# KiCad board 5x25.kicad_pcb (continued)
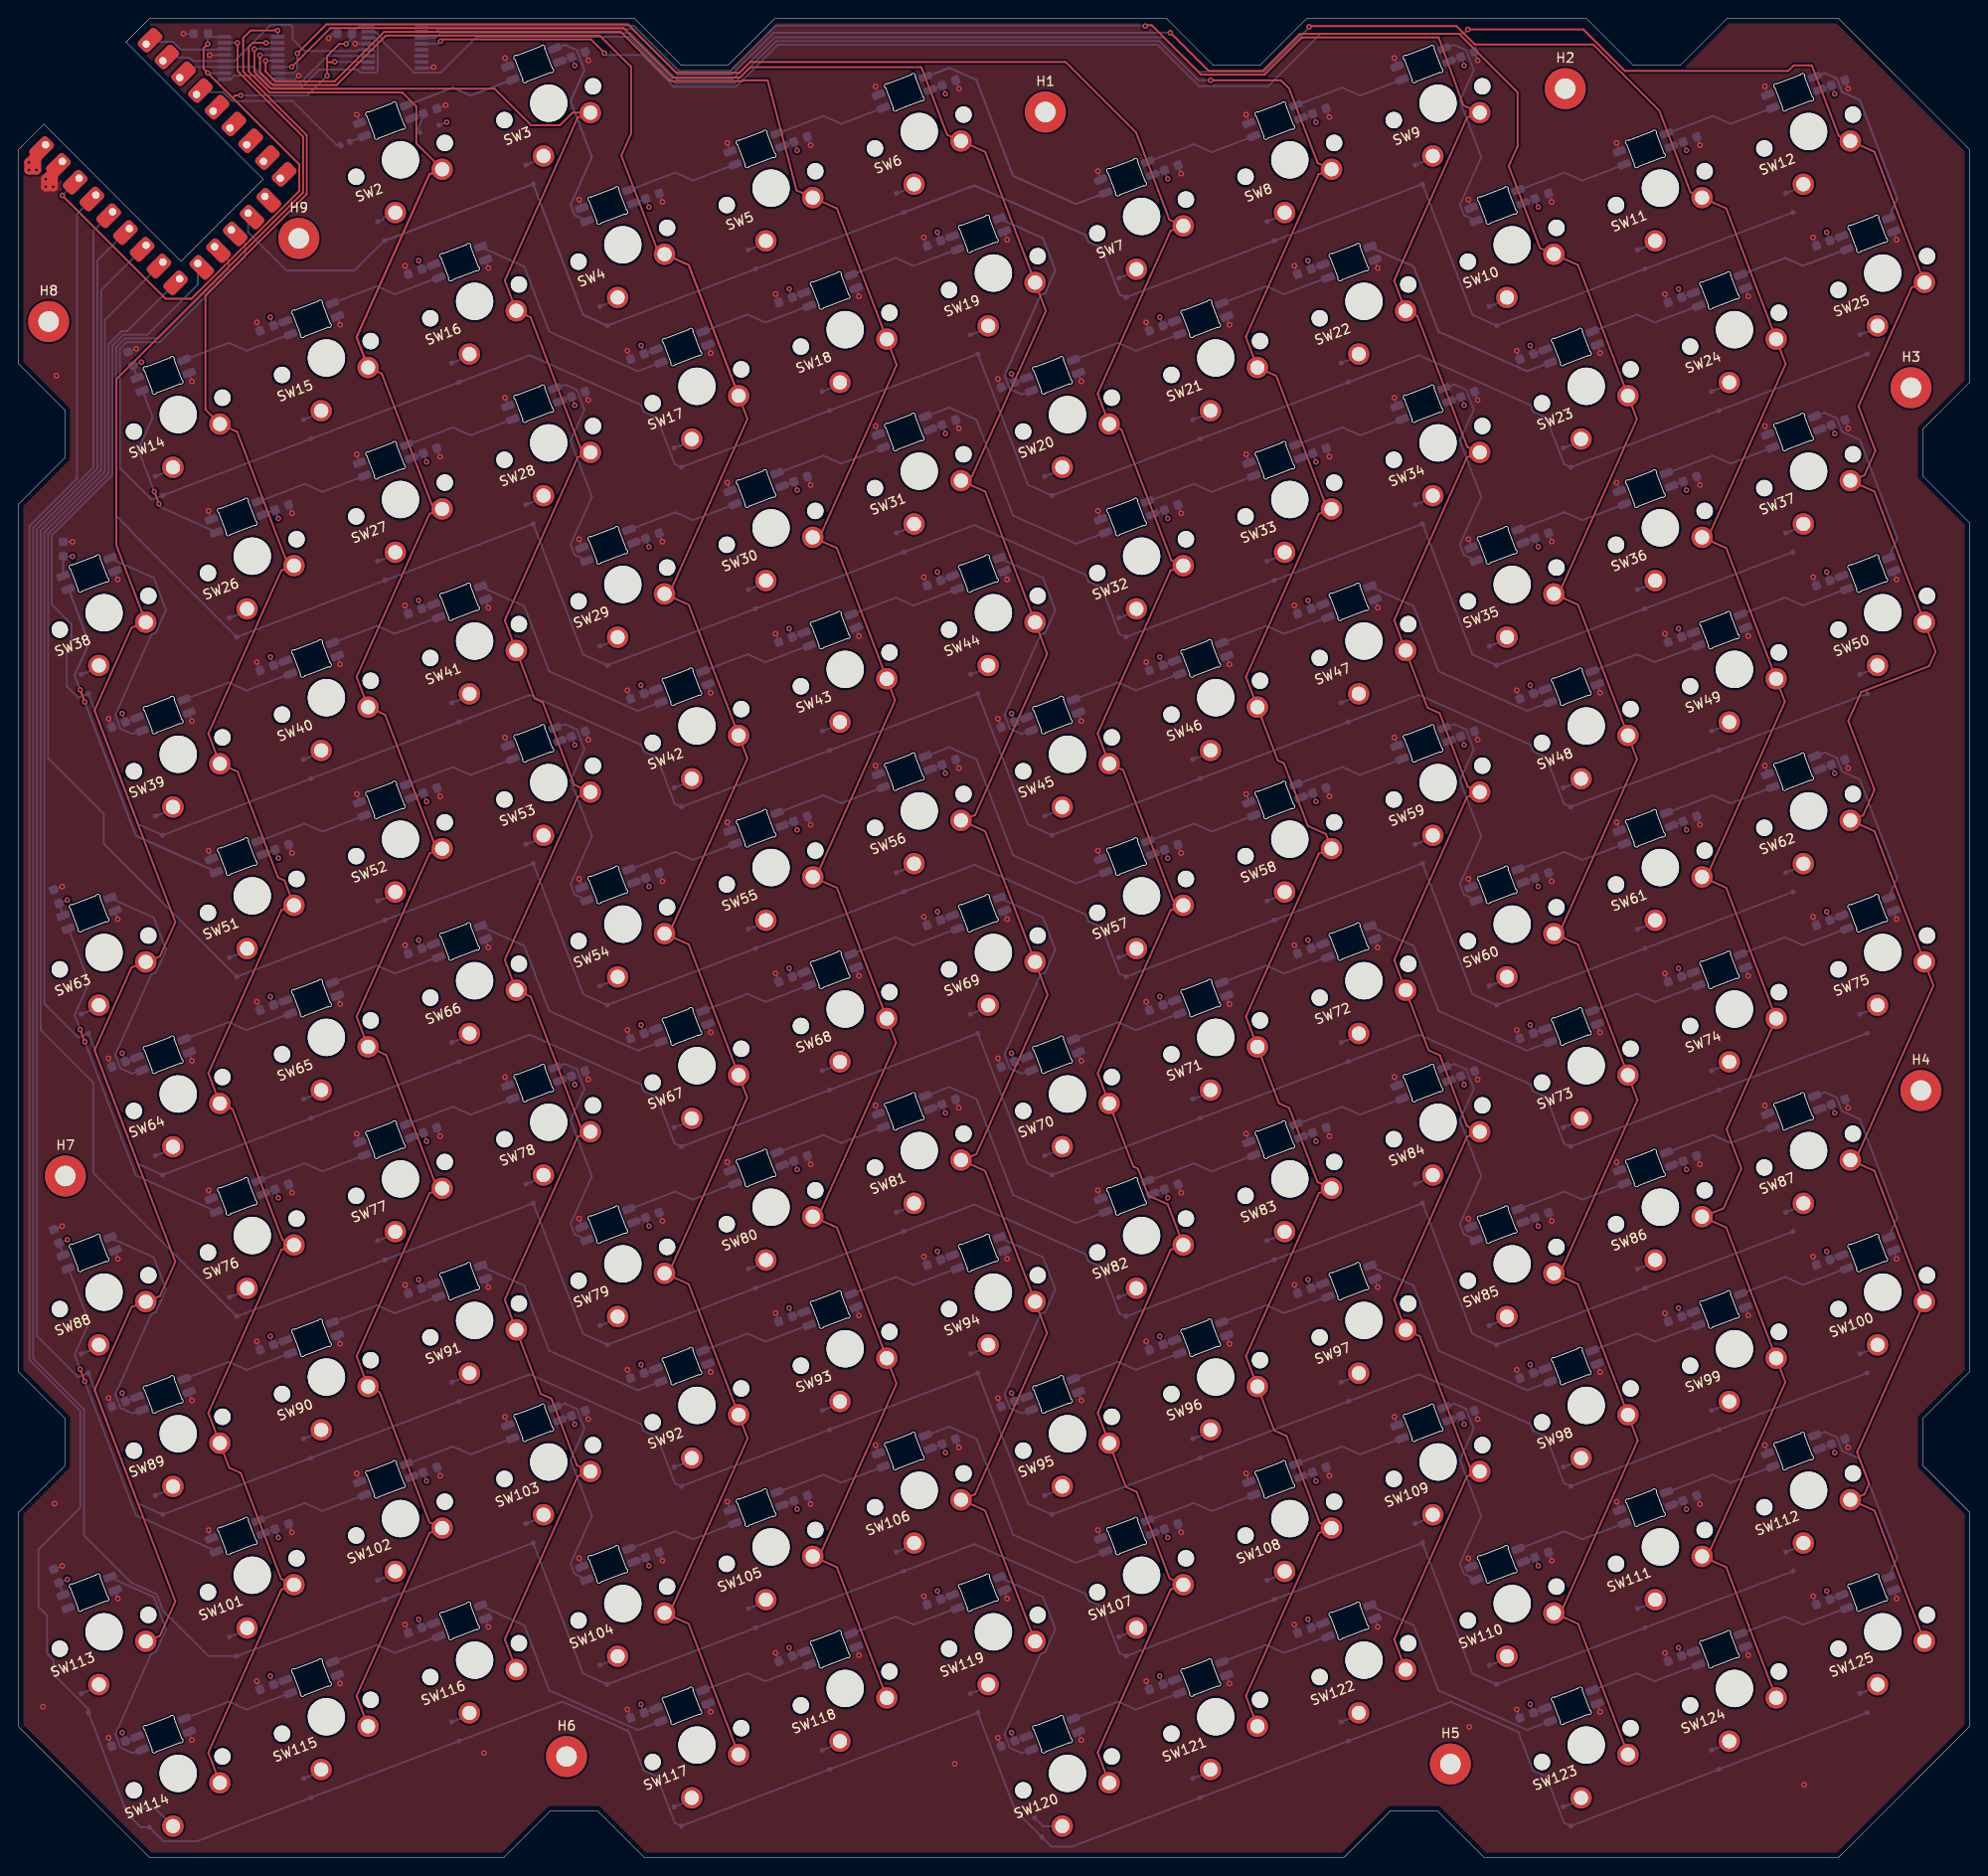
[diagram p0: board, top side]
## Routing (per net, layer and track width the routed paths; a pad name or vN(x,y) marks a point on that pad's centre or on a via; arc(x,y) is an arc through that point) (continued)
GND: length 247.6
  Top w1: v1(2.9,179.8) v1(2.9,179) v1(3.7,179) 3.7,180.72 RZ1.22 4.68,181.58 v1(2.9,179.8)
  Bottom w0.2: 81.11,58.28 C93.1 ; 164.25,68.2 C85.1 ; 180.13,110.66 C61.1 ; 96.99,64.35 C94.1 ; v1(131.51,150.33) 131.84,149.46 ; 68.97,31.81 C104.1 ; 41.41,170.5 C16.1 ; v1(36.22,113.93) 36.56,113.06 ; 41.41,97.71 C66.1 ; 29.26,144.03 C26.1 ; v1(171.21,74.5) 171.54,73.63 ; v1(20.45,193.09) 22.02,193.09 U1.13 ; 140.43,186.49 C8.1 ; 104.93,158.37 C20.1 ; v1(20.34,35.07) 20.67,34.2 ; 196.01,43.94 C112.1 ; v1(105.91,27.72) 105.58,28.59 ; v1(34.45,127.81) 34.12,128.68 ; v1(18.57,121.74) 18.23,122.61 ; v1(10.63,27.72) 10.29,28.59 ; 160.52,125.01 C48.1 ; v1(169.44,124.78) 169.1,125.65 ; 65.23,88.61 C67.1 ; 100.73,189.52 C6.1 ; v1(131.51,113.93) 131.84,113.06 ; 61.02,119.76 C53.1 ; 124.55,180.42 C7.1 ; v1(50.33,170.27) 50,171.14 ; 120.81,91.65 C71.1 ; 65.23,161.41 C17.1 ; 65.23,125.01 C42.1 ; 140.43,40.91 C108.1 ; 192.28,27.95 C125.1 ; v1(74.15,51.99) 73.82,52.85 ; 45.14,40.91 C102.1 ; U2.13 36.18,194.31 36.15,194.34 v1(36.05,194.34) ; 25.53,55.25 C90.1 ; 68.97,177.39 C4.1 ; 136.69,61.32 C97.1 ; 4.64,67.61 C88.1 ; 104.93,49.18 C95.1 ; 9.65,121.98 C39.1 ; 164.25,140.99 C35.1 ; v1(185.32,58.05) 184.98,58.92 ; v1(34.45,18.62) 34.12,19.49 ; v1(169.44,161.17) 169.1,162.04 ; 29.26,34.84 C101.1 ; v1(33.2,194.9) 33.7,195.4 C901.1 ; 140.43,77.3 C83.1 ; 61.02,83.37 C78.1 ; 68.97,68.2 C79.1 ; v1(147.39,156.39) 147.72,155.52 ; 81.11,94.68 C68.1 ; 176.4,21.89 C124.1 ; 9.65,12.79 C114.1 ; 29.26,107.63 C51.1 ; v1(169.44,15.59) 169.1,16.46 ; v1(129.73,55.02) 129.4,55.89 ; 176.4,94.68 C74.1 ; 176.4,58.28 C99.1 ; 100.73,153.13 C31.1 ; v1(147.39,120) 147.72,119.13 ; 120.81,55.25 C96.1 ; 25.53,91.65 C65.1 ; v1(60.04,32.04) 60.38,31.17 ; v1(155.33,177.62) 155.66,176.75 ; v1(91.81,153.36) 92.14,152.49 ; v1(60.04,141.23) 60.38,140.36 ; 41.41,134.11 C41.1 ; 196.01,116.73 C62.1 ; v1(91.81,189.75) 92.14,188.89 ; 136.69,134.11 C47.1 ; 196.01,189.52 C12.1 ; 140.43,150.09 C33.1 ; 160.52,161.41 C23.1 ; 96.99,27.95 C119.1 ; v1(75.93,74.5) 76.26,73.63 ; 192.28,137.14 C50.1 ; 61.02,46.97 C103.1 ; 124.55,107.63 C57.1 ; v1(75.93,183.69) 76.26,182.82 ; 164.25,177.39 C10.1 ; v1(185.32,130.84) 184.98,131.71 ; v1(169.44,88.38) 169.1,89.25 ; v1(145.61,97.48) 145.28,98.35 ; v1(185.32,94.45) 184.98,95.32 ; v1(20.34,71.47) 20.67,70.6 ; 12.58,161.63 C14.1 ; 164.25,104.6 C60.1 ; v1(115.63,107.86) 115.96,107 ; v1(147.39,192.79) 147.72,191.92 ; 180.13,183.46 C11.1 ; 120.81,128.04 C46.1 ; 124.55,71.24 C82.1 ; v1(105.91,173.31) 105.58,174.17 ; v1(113.85,158.14) 113.52,159.01 ; v1(155.33,32.04) 155.66,31.17 ; 84.85,183.46 C5.1 ; v1(52.1,192.79) 52.44,191.92 ; v1(90.03,21.66) 89.7,22.52 ; v1(75.93,110.9) 76.26,110.03 ; v1(34.45,91.41) 34.12,92.28 ; v1(105.91,64.12) 105.58,64.99 ; v1(20.34,107.86) 20.67,107 ; 192.28,64.35 C100.1 ; v1(50.33,24.69) 50,25.56 ; v1(187.09,189.75) 187.42,188.89 ; v1(36.22,150.33) 36.56,149.46 ; 156.31,46.97 C109.1 ; 176.4,131.08 C49.1 ; v1(115.63,180.66) 115.96,179.79 ; 100.73,116.73 C56.1 ; v1(113.85,121.74) 113.52,122.61 ; v1(90.03,58.05) 89.7,58.92 ; 192.28,100.75 C75.1 ; v1(201.2,64.12) 200.87,64.99 ; v1(52.1,120) 52.44,119.13 ; 45.14,150.09 C27.1 ; v1(74.15,15.59) 73.82,16.46 ; v1(145.61,133.88) 145.28,134.74 ; v1(171.21,38.11) 171.54,37.24 ; v1(187.09,116.96) 187.42,116.09 ; v1(34.45,164.21) 34.12,165.07 ; 29.26,71.24 C76.1 ; 140.43,113.7 C58.1 ; 25.53,164.44 C15.1 ; U2.8 44.18,191.71 44.28,191.81 v1(44.45,191.81) ; v1(171.21,147.29) 171.54,146.42 ; 136.69,24.92 C122.1 ; v1(50.33,133.88) 50,134.74 ; v1(50.33,97.48) 50,98.35 ; 156.31,83.37 C84.1 ; 124.55,144.03 C32.1 ; 81.11,21.89 C118.1 ; v1(90.03,94.45) 89.7,95.32 ; 192.28,173.54 C25.1 ; 180.13,74.27 C86.1 ; v1(131.51,41.14) 131.84,40.27 ; 100.73,80.34 C81.1 ; 156.31,192.56 C9.1 ; v1(145.61,24.69) 145.28,25.56 ; 160.52,15.82 C123.1 ; 45.14,113.7 C52.1 ; v1(74.15,88.38) 73.82,89.25 ; 196.01,80.34 C87.1 ; 156.31,119.76 C59.1 ; v1(201.2,173.31) 200.87,174.17 ; 100.73,43.94 C106.1 ; v1(20.34,144.26) 20.67,143.39 ; 9.65,85.58 C64.1 ; v1(74.15,161.17) 73.82,162.04 ; v1(155.33,104.83) 155.66,103.96 ; v1(18.57,85.35) 18.23,86.22 ; v1(115.63,35.07) 115.96,34.2 ; 164.25,31.81 C110.1 ; 84.85,110.66 C55.1 ; v1(201.2,100.51) 200.87,101.38 ; v1(90.03,130.84) 89.7,131.71 ; 136.69,97.71 C72.1 ; v1(201.2,27.72) 200.87,28.59 ; v1(36.22,77.53) 36.56,76.67 ; 104.93,85.58 C70.1 ; 65.23,15.82 C117.1 ; 124.55,34.84 C107.1 ; 176.4,167.47 C24.1 ; v1(113.85,85.35) 113.52,86.22 ; v1(91.81,80.57) 92.14,79.7 ; v1(147.39,83.6) 147.72,82.73 ; 96.99,100.75 C69.1 ; 45.14,77.3 C77.1 ; 196.01,153.13 C37.1 ; 156.31,156.16 C34.1 ; v1(90.03,167.24) 89.7,168.11 ; v1(155.33,141.23) 155.66,140.36 ; v1(185.32,21.66) 184.98,22.52 ; 61.02,156.16 C28.1 ; v1(75.93,38.11) 76.26,37.24 ; 120.81,18.86 C121.1 ; v1(187.09,80.57) 187.42,79.7 ; v1(105.91,100.51) 105.58,101.38 ; v1(155.33,68.44) 155.66,67.57 ; v1(36.22,41.14) 36.56,40.27 ; 84.85,37.87 C105.1 ; v1(105.91,136.91) 105.58,137.78 ; v1(185.32,167.24) 184.98,168.11 ; 84.85,74.27 C80.1 ; 4.64,31.21 C113.1 ; v1(129.73,18.62) 129.4,19.49 ; v1(187.09,153.36) 187.42,152.49 ; v1(113.85,12.56) 113.52,13.43 ; v1(129.73,164.21) 129.4,165.07 ; v1(129.73,91.41) 129.4,92.28 ; v1(18.57,158.14) 18.23,159.01 ; 104.93,12.79 C120.1 ; 5.73,140.94 4.78,140.94 ; v1(74.15,124.78) 73.82,125.65 ; 84.85,147.06 C30.1 ; 81.11,167.47 C18.1 ; 68.97,140.99 C29.1 ; 41.41,61.32 C91.1 ; 68.97,104.6 C54.1 ; 41.41,24.92 C116.1 ; v1(171.21,183.69) 171.54,182.82 ; v1(169.44,51.99) 169.1,52.85 ; v1(18.57,48.95) 18.23,49.82 ; v1(45.76,187.74) C2.2 ; 4.64,104.01 C63.1 ; 180.13,37.87 C111.1 ; 160.52,52.22 C98.1 ; 96.99,137.14 C44.1 ; v1(113.85,48.95) 113.52,49.82 ; v1(10.63,136.91) 10.29,137.78 ; v1(50.33,61.08) 50,61.95 ; 180.13,147.06 C36.1 ; v1(145.61,61.08) 145.28,61.95 ; v1(18.57,12.56) 18.23,13.43 ; v1(201.2,136.91) 200.87,137.78 ; v1(34.45,55.02) 34.12,55.89 ; 65.23,52.22 C92.1 ; v1(115.63,71.47) 115.96,70.6 ; v1(10.63,64.12) 10.29,64.99 ; 160.52,88.61 C73.1 ; v1(75.93,147.29) 76.26,146.42 ; v1(60.04,68.44) 60.38,67.57 ; 104.93,121.98 C45.1 ; v1(187.09,44.17) 187.42,43.3 ; v1(115.63,144.26) 115.96,143.39 ; v1(52.1,156.39) 52.44,155.52 ; v1(60.04,177.62) 60.38,176.75 ; 120.81,164.44 C21.1 ; U1.8 29.63,190.51 v1(30.01,190.89) ; 25.53,128.04 C40.1 ; v1(131.51,186.72) 131.84,185.85 ; 9.65,49.18 C89.1 ; v1(131.51,77.53) 131.84,76.67 ; v1(52.1,83.6) 52.44,82.73 ; v1(171.21,110.9) 171.54,110.03 ; v1(36.22,186.72) 36.56,185.85 ; 81.11,131.08 C43.1 ; v1(60.04,104.83) 60.38,103.96 ; v1(129.73,127.81) 129.4,128.68 ; 136.69,170.5 C22.1 ; 25.53,18.86 C115.1 ; v1(91.81,44.17) 92.14,43.3 ; v1(145.61,170.27) 145.28,171.14 ; v1(17.65,195.39) C900.1 ; v1(147.39,47.2) 147.72,46.34 ; v1(52.1,47.2) 52.44,46.34 ; v1(10.63,100.51) 10.29,101.38 ; 96.99,173.54 C19.1 ; 61.02,192.56 C3.1 ; v1(91.81,116.96) 92.14,116.09
  vias: v1(2.62,16.14) v1(3.84,37.89) v1(4.04,158.75) v1(4.66,104.02) v1(4.66,67.62) v1(4.66,31.22) v1(5.76,140.94) v1(9.64,122) v1(9.64,85.61) v1(9.64,49.21) v1(9.64,12.81) v1(12.6,161.64) v1(25.52,164.46) v1(25.52,128.07) v1(25.52,91.67) v1(25.52,55.28) v1(25.52,18.88) v1(29.27,144) v1(29.27,107.61) v1(29.27,71.21) v1(29.27,34.81) v1(41.4,170.53) v1(41.4,134.13) v1(41.4,97.74) v1(41.4,61.34) v1(41.4,24.95) v1(45.15,150.07) v1(45.15,113.67) v1(45.15,77.28) v1(45.15,40.88) v1(49.86,11.18) v1(61.03,192.53) v1(61.03,156.13) v1(61.03,119.74) v1(61.03,83.34) v1(61.03,46.95) v1(65.22,161.43) v1(65.22,125.03) v1(65.22,88.64) v1(65.22,52.24) v1(65.22,15.85) v1(68.97,177.37) v1(68.97,140.97) v1(68.97,104.57) v1(68.97,68.18) v1(68.97,31.78) v1(81.1,167.5) v1(81.1,131.1) v1(81.1,94.71) v1(81.1,58.31) v1(81.1,21.91) v1(84.86,183.43) v1(84.86,147.04) v1(84.86,110.64) v1(84.86,74.24) v1(84.86,37.85) v1(96.98,173.56) v1(96.98,137.17) v1(96.98,100.77) v1(96.98,64.38) v1(96.98,27.98) v1(100.29,10.02) v1(100.74,189.5) v1(100.74,153.1) v1(100.74,116.71) v1(100.74,80.31) v1(100.74,43.91) v1(104.92,158.4) v1(104.92,122) v1(104.92,85.61) v1(104.92,49.21) v1(104.92,12.81) v1(120.8,164.46) v1(120.8,128.07) v1(120.8,91.67) v1(120.8,55.28) v1(120.8,18.88) v1(124.56,180.4) v1(124.56,144) v1(124.56,107.61) v1(124.56,71.21) v1(124.56,34.81) v1(136.68,170.53) v1(136.68,134.13) v1(136.68,97.74) v1(136.68,61.34) v1(136.68,24.95) v1(140.44,186.46) v1(140.44,150.07) v1(140.44,113.67) v1(140.44,77.28) v1(140.44,40.88) v1(155.42,13.97) v1(156.32,192.53) v1(156.32,156.13) v1(156.32,119.74) v1(156.32,83.34) v1(156.32,46.95) v1(160.51,161.43) v1(160.51,125.03) v1(160.51,88.64) v1(160.51,52.24) v1(160.51,15.85) v1(164.26,177.37) v1(164.26,140.97) v1(164.26,104.57) v1(164.26,68.18) v1(164.26,31.78) v1(176.39,167.5) v1(176.39,131.1) v1(176.39,94.71) v1(176.39,58.31) v1(176.39,21.91) v1(180.14,183.43) v1(180.14,147.04) v1(180.14,110.64) v1(180.14,74.24) v1(180.14,37.85) v1(191.31,7.78) v1(192.27,173.56) v1(192.27,137.17) v1(192.27,100.77) v1(192.27,64.38) v1(192.27,27.98) v1(196.02,189.5) v1(196.02,153.1) v1(196.02,116.71) v1(196.02,80.31) v1(196.02,43.91)
CLOCK: length 22.7
  Bottom w0.2: RZ1.3 18.38,191.81 U1.11 25.16,191.81 26.96,190.01 30.08,190.01 33.08,193.01 U2.11
Col 0: length 199.1
  Top w0.2: v1(23.43,194.41) 23.45,194.39 23.45,191.39 23.65,191.19 23.65,191.17 30.47,184.35 30.47,178.37 10.47,158.37 10.47,140.7 10.44,140.64 SW38.1 12.1,131.75 8.13,122.88 16.79,100.21 15.13,96.52 SW63.1 12.1,95.36 8.13,86.48 16.79,63.81 15.13,60.12 SW88.1 12.1,58.96 8.13,50.09 16.79,27.42 15.13,23.73 SW113.1
  Bottom w0.2: v1(23.43,194.41) U1.15
Col 1: length 220.7
  Top w0.2: SW114.1 20.32,11.22 28.13,28.69 SW101.1 28.12,29.83 23.78,41.19 22.57,41.73 SW89.1 20.32,47.61 28.13,65.09 28.61,65.27 ; v1(27.75,195.74) 24.85,195.74 24.05,194.94 24.05,194.66 24.05,194.66 24.05,194.16 24.05,191.34 30.87,184.52 30.87,178.21 20.01,167.35 20.01,155.11 SW14.1 23.41,152.74 28.76,138.73 SW26.1 28.13,137.88 20.32,120.41 SW39.1 23.45,116.32 27.79,104.97 28.48,104.66 SW51.1 28.13,101.48 20.32,84.01 SW64.1 22.92,80.16 28.27,66.16 SW76.1
  Bottom w0.2: U1.1 27.77,195.73 v1(27.75,195.74)
Col 2: length 248.3
  Top w0.2: 36.2,162.87 SW15.1 ; 36.2,162.87 SW15.1 ; 36.2,162.87 44.01,180.34 ; 36.2,162.87 44.01,180.34 ; SW15.1 38.9,158.98 44.25,144.97 SW27.1 44.01,143.95 36.2,126.47 SW40.1 39.27,122.42 44.62,108.41 SW52.1 44.01,107.55 36.2,90.08 SW65.1 39.38,85.97 44.91,71.5 44.01,71.15 36.2,53.68 SW90.1 37.46,50.37 38.68,49.82 44.01,35.89 SW102.1 44.01,34.76 36.2,17.28 SW115.1 ; SW2.1 42.6,183.63 42.6,187.59 41.1,189.09 26.9,189.09 24.65,191.34 24.65,193.48 24.66,193.48 24.65,193.49 24.65,193.99 25.08,194.41 v1(26.5,194.41) ; SW2.1 44.01,180.34 ; SW2.1 44.01,180.34
  Bottom w0.2: v1(26.5,194.41) U1.2
Col 3: length 235.5
  Top w0.2: v1(25.25,193.74) 25.25,191.31 27.07,189.49 51,189.49 54.9,185.59 58,185.59 59.35,186.94 59.36,186.93 SW3.1 59.9,186.41 52.08,168.93 SW16.1 54.85,165.01 60.2,151.01 SW28.1 59.9,150.01 52.08,132.54 SW41.1 55.28,124.16 56.15,123.77 59.53,114.91 SW53.1 59.9,113.62 52.08,96.14 SW66.1 54.88,92.21 60.23,78.2 SW78.1 59.9,77.22 52.08,59.75 SW91.1 55.93,49.66 57.09,49.15 59.82,41.99 SW103.1 59.9,40.82 52.08,23.35 SW116.1
  Bottom w0.2: U1.3 25.3,193.76 25.28,193.74 v1(25.25,193.74)
Col 4: length 270.5
  Top w0.2: SW17.1 71.79,170.6 ; SW17.1 71.79,170.6 ; SW17.1 78.08,154.12 69.8,135.6 SW29.1 71.79,134.21 SW42.1 78.08,117.74 69.79,99.2 SW54.1 71.79,97.81 SW67.1 78.06,81.4 69.73,62.78 SW79.1 71.79,61.42 SW92.1 78.11,44.88 69.86,26.43 SW104.1 71.79,25.02 SW117.1 ; 71.79,170.6 SW4.1 ; 71.79,170.6 SW4.1 ; SW4.1 68.48,172.08 64.57,182.33 65.61,184.67 65.61,191.83 62.26,195.18 39.35,195.18 34.06,189.89 27.24,189.89 25.85,191.27 25.85,192.24 25.85,192.24 25.85,192.74 25.85,192.74 v1(25.85,193.09)
  Bottom w0.2: U1.4 27.74,193.09 v1(25.85,193.09)
Col 5: length 259
  Top w0.2: v1(26.45,192.49) 26.45,191.34 27.5,190.29 33.86,190.29 39.15,195.58 64.52,195.58 69.7,190.4 69.83,190.4 69.93,190.3 77.47,190.3 77.57,190.4 80.25,190.4 83.34,178.61 87.67,176.67 SW18.1 94.07,159.9 85.97,141.77 SW30.1 87.67,140.28 SW43.1 93.9,123.96 85.51,105.2 SW55.1 87.67,103.88 94.01,87.28 85.8,68.92 SW80.1 87.67,67.48 SW93.1 94.06,50.76 85.92,32.57 SW105.1 87.67,31.09 SW118.1
  Bottom w0.2: U1.5 27.74,192.49 v1(26.45,192.49)
Col 6: length 268.4
  Top w0.2: SW119.1 103.55,37.15 SW106.1 102.46,38.88 110.19,56.17 SW94.1 103.55,73.55 SW81.1 102.61,75.34 110.25,92.41 103.55,109.95 SW56.1 102.48,111.68 110.2,128.94 SW44.1 103.55,146.34 SW31.1 102.12,147.94 110.06,165.69 SW19.1 103.55,182.74 99.48,184.56 96.72,191.8 78.4,191.8 77.3,190.7 70.1,190.7 64.81,195.99 33.4,195.99 30.46,193.04 30.46,193.04 30.1,192.69 v1(29.25,191.84)
  Bottom w0.2: U1.6 27.79,191.84 v1(29.25,191.84)
Col 7: length 302.6
  Top w0.2: v1(29.86,193.29) 32.96,196.39 65.3,196.39 70.49,191.2 77.23,191.2 78.4,192.36 112.16,192.36 119.73,184.79 123.3,175.46 SW7.1 123.42,174.28 115.6,156.8 SW20.1 118.16,152.98 123.51,138.97 SW32.1 123.42,137.88 115.6,120.41 SW45.1 118.34,116.5 123.69,102.49 SW57.1 ; SW107.1 123.33,29.86 119.78,39.16 118.64,39.67 SW95.1 115.6,47.61 123.42,65.09 SW82.1 123.12,69.97 121.04,70.9 119.93,73.79 119.42,74.02 SW70.1 115.6,84.01 123.42,101.48 123.99,101.7 ; 124.15,28.97 123.42,28.69 115.6,11.22 SW120.1
  Bottom w0.2: U1.7 29.43,191.16 29.86,191.59 29.86,192.54 29.86,192.54 v1(29.86,193.29)
Col 8: length 310.1
  Top w0.2: v1(127.7,190.4) 127.7,190.4 135.23,190.4 136.13,189.5 139.18,181.53 SW8.1 139.27,180.33 131.5,162.95 131.51,162.92 131.49,162.87 SW21.1 134.75,158.72 140.1,144.72 SW33.1 139.3,143.95 131.49,126.47 134.9,117.52 135.56,117.23 138.13,110.5 140.06,109.64 SW58.1 139.3,107.55 131.49,90.08 SW71.1 135.03,80.79 136.12,80.3 139.16,72.35 SW83.1 139.3,71.15 131.49,53.68 SW96.1 134.52,45.73 135.85,45.14 139.4,35.84 SW108.1 139.3,34.76 131.49,17.28 SW121.1
  Bottom w0.2: U2.15 38.18,195.61 38.88,194.91 38.88,194.69 42.36,191.21 45.23,191.21 49.08,195.06 65.37,195.06 70.33,190.1 76.67,190.1 81.17,194.6 122.2,194.6 126.4,190.4 126.9,190.4 126.9,190.4 v1(127.7,190.4)
Col 9: length 318.3
  Top w0.2: SW122.1 147.37,23.35 155.18,40.82 SW109.1 155.48,41.82 150.13,55.83 SW97.1 147.37,59.75 155.18,77.22 SW84.1 155.17,78.35 152.28,85.93 151.06,86.48 SW72.1 147.37,96.14 155.18,113.62 SW59.1 155.25,114.71 152.25,122.59 150.95,123.17 SW47.1 147.37,132.54 155.18,150.01 SW34.1 155.21,151.13 149.86,165.14 SW22.1 147.37,168.93 155.18,186.41 SW9.1 154.8,187.71 152.14,194.99 137.49,194.99 133.5,191 133.47,191 133.47,191 127.33,191 127.33,191 126.7,191 121.4,196.3 120.6,196.3
  Bottom w0.2: v1(120.7,196.2) 120.64,196.26 81.11,196.26 76.25,191.4 70.75,191.4 65.89,196.26 U2.1
Col 10: length 330.4
  Top w0.2: v1(123.38,195.48) 123.42,195.48 127.5,191.4 133.3,191.4 137.29,195.39 154.31,195.39 160.6,189.1 160.6,183.34 159.65,181.21 163,172.43 SW10.1 167.07,170.6 173.38,154.09 165.12,135.61 SW35.1 167.07,134.21 SW48.1 173.4,117.66 165.15,99.23 SW60.1 167.07,97.81 SW73.1 173.45,81.13 165.28,62.88 SW85.1 167.07,61.42 SW98.1 173.48,44.66 165.36,26.52 SW110.1 167.07,25.02 SW123.1
  Bottom w0.2: U2.2 44.76,195.61 45,195.86 65.72,195.86 70.58,191 76.42,191 80.92,195.5 123.37,195.5 v1(123.38,195.48)
Col 11: length 339.5
  Top w0.2: SW124.1 182.96,31.09 SW111.1 181.06,32.51 189.29,50.91 182.96,67.48 SW86.1 182.66,69.52 184.58,73.81 182.99,77.98 SW74.1 182.96,103.88 SW61.1 180.94,105.26 189.24,123.82 182.96,140.28 SW36.1 181.14,141.73 189.32,160.01 182.96,176.67 179.13,178.38 175.78,187.15 168.69,194.24 156.03,194.24 154.07,196.2 138.33,196.2 v1(138.27,196.13)
  Bottom w0.2: v1(138.27,196.13) 138.27,196.07 133.5,191.3 126.4,191.3 122.7,195 81,195 76.5,190.5 70.5,190.5 65.54,195.46 45.17,195.46 44.67,194.96 U2.3
Col 12: length 359.6
  Top w0.2: v1(62.76,193.29) 62.76,193.33 61.31,194.78 45.4,194.78 v1(45.2,194.58) ; SW125.1 198.84,37.15 SW112.1 197.77,38.89 198.27,40.02 196.97,43.41 SW100.1 198.84,73.55 SW87.1 196.9,74.96 205.15,93.41 198.84,109.95 SW62.1 197.62,111.63 198.84,114.37 196.03,121.75 197.41,124.85 204.7,127.63 205.39,129.18 198.84,146.34 SW37.1 197.77,148.08 198.94,150.7 197.12,155.46 202.82,168.21 SW25.1 198.84,182.74 195.01,184.45 192.13,192 190.19,192 189.59,191.4 172.1,191.4 167.65,195.85 v1(155.27,195.85)
  Bottom w0.2: U2.4 44.93,194.31 v1(45.2,194.58) ; v1(62.76,193.29) 62.95,193.1 66.77,193.1 70.17,189.7 76.83,189.7 81.33,194.2 122.03,194.2 126.47,189.76 133.86,189.76 139.49,195.39 154.81,195.39 v1(155.27,195.85)
DATA: length 9.7
  Bottom w0.2: U1.14 21.39,193.76 21.31,193.69 17.35,193.69 16.52,194.52 13.91,194.52 RZ1.1 14.26,194.87
LATCH: length 28
  Bottom w0.2: RZ1.2 15.82,192.84 18.25,192.84 18.63,192.46 U1.12 23.13,192.46 27.01,196.34 29.11,196.34 29.35,196.09 29.35,194.79 30.61,193.54 36.25,193.54 36.38,193.66 U2.12 ; RZ1.2 16.55,193.57 ; RZ1.2 15.84,192.86
LED: length 17.9
  Bottom w0.2: RZ1.4 19.29,189.13 21.91,189.13 22.85,188.19 29.34,188.19 34.09,183.44 R1.1
Row 0: length 268.5
  Bottom w0.2: RZ1.11 24.58,174.11 28.66,170.04 35.98,170.04 39.15,173.21 D2.1 ; 114.61,173.09 116.05,172.44 ; 114.61,173.09 114.33,173.8 ; 114.61,173.09 114.33,173.8 ; 114.61,173.09 116.05,172.44 ; 116.05,172.44 116.32,171.72 ; 116.05,172.44 116.32,171.72 ; 102.4,179.14 114.33,173.8 ; 102.4,179.14 D6.1 ; 102.4,179.14 D6.1 ; 102.4,179.14 114.33,173.8 ; 116.31,171.71 117.94,167.46 ; 116.31,171.71 116.32,171.72 ; 116.31,171.71 117.94,167.46 ; 116.31,171.71 116.32,171.72 ; 117.94,167.46 D7.1 ; 117.94,167.46 D7.1 ; D2.1 D3.1 ; D2.1 D3.1 ; D3.1 60.47,165.27 ; D3.1 60.47,165.27 ; D6.1 D5.1 D4.1 ; D4.1 60.47,165.27 ; D4.1 60.47,165.27 ; D12.1 D11.1 D10.1 155.76,165.27 D9.1 D8.1 D7.1
Row 1: length 252.9
  Bottom w0.2: D25.1 D24.1 D23.1 165.58,149.26 163.96,153.51 163.96,153.52 163.69,154.24 162.25,154.89 161.98,155.6 150.04,160.94 D22.1 D21.1 D20.1 108.12,147.07 D19.1 D18.1 D17.1 70.29,149.26 68.67,153.51 68.68,153.52 68.4,154.24 66.96,154.89 66.69,155.6 54.76,160.94 D16.1 D15.1 14.3,145.48 14.17,145.54 10.84,148.87 10.84,161.63 11.55,162.34 15.12,162.34 24.26,171.48 24.26,172.89 RZ1.12
Row 2: length 256.2
  Bottom w0.2: D37.1 D36.1 D35.1 155.76,128.87 D34.1 D33.1 D32.1 117.94,131.07 116.31,135.31 116.32,135.33 116.05,136.05 114.61,136.69 114.33,137.4 102.4,142.74 D31.1 D30.1 D29.1 60.47,128.87 D28.1 D27.1 D26.1 12.01,142.1 12.01,142.17 10.44,143.74 10.44,161.8 11.38,162.74 14.96,162.74 22.49,170.28 22.49,171.07 RZ1.13
Row 3: length 288.2
  Bottom w0.2: RZ1.14 19.19,168.53 13.81,163.14 11.22,163.14 10.04,161.97 10.04,148.13 3.56,141.64 3.56,134.24 5.65,132.14 5.65,129.69 5.15,129.19 5.15,125.46 6.36,124.25 D38.1 12.83,110.68 D39.1 D40.1 D41.1 54.76,124.54 66.69,119.2 66.96,118.49 68.4,117.85 68.68,117.13 68.67,117.12 70.29,112.87 D42.1 D43.1 D44.1 108.12,110.68 D45.1 D46.1 D47.1 150.04,124.54 161.98,119.2 162.25,118.49 163.69,117.85 163.96,117.13 163.96,117.12 165.58,112.87 D48.1 D49.1 D50.1
Row 4: length 290.6
  Bottom w0.2: D62.1 D61.1 D60.1 155.76,92.48 D59.1 D58.1 D57.1 117.94,94.67 116.31,98.92 116.32,98.93 116.05,99.65 114.61,100.29 114.33,101.01 102.4,106.34 D56.1 D55.1 D54.1 60.47,92.48 D53.1 D51.1 9.12,108.6 9.12,111.79 3.15,117.75 3.15,141.81 9.64,148.29 9.64,162.13 11.05,163.54 11.66,163.54 RZ1.15
Row 5: length 321.9
  Bottom w0.2: RZ1.16 9.24,164.71 9.24,148.46 2.75,141.97 2.75,91.46 6.36,87.86 D63.1 12.83,74.28 D64.1 D65.1 D66.1 54.76,88.15 66.69,82.81 66.96,82.1 68.4,81.45 68.68,80.73 68.67,80.72 70.29,76.47 D67.1 D68.1 D69.1 108.12,74.28 D70.1 D71.1 D72.1 150.04,88.15 161.98,82.81 162.25,82.1 163.69,81.45 163.96,80.73 163.96,80.72 165.58,76.47 D73.1 D74.1 D75.1
Row 6: length 329.4
  Bottom w0.2: RZ1.17 8.84,167.9 8.84,148.63 2.35,142.14 2.35,91.29 2.36,91.29 2.36,88.64 8,83 8,73.32 D76.1 D77.1 D78.1 60.47,56.08 D79.1 D80.1 D81.1 102.4,69.95 114.33,64.61 114.61,63.9 116.05,63.25 116.32,62.54 116.31,62.52 117.94,58.27 D82.1 D83.1 D84.1 155.76,56.08 D85.1 D86.1 D87.1
Row 7: length 361.1
  Bottom w0.2: D100.1 D99.1 D98.1 165.58,40.08 163.96,44.32 163.96,44.34 163.69,45.06 162.25,45.7 161.98,46.41 150.04,51.75 D97.1 D96.1 D95.1 108.12,37.88 D94.1 D93.1 D92.1 70.29,40.08 68.67,44.32 68.68,44.34 68.4,45.06 66.96,45.7 66.69,46.41 54.76,51.75 D91.1 D90.1 D89.1 12.83,37.88 D88.1 6.36,51.46 1.96,55.86 1.96,91.12 1.95,91.13 1.95,142.31 8.44,148.79 8.44,171.09 RZ1.18
Row 8: length 370.8
  Bottom w0.2: D112.1 D111.1 D110.1 155.76,19.69 D109.1 D108.1 D107.1 117.94,21.88 116.31,26.13 116.32,26.14 116.05,26.86 114.61,27.5 114.33,28.21 102.4,33.55 D106.1 D105.1 D104.1 60.47,19.69 D103.1 D102.1 D101.1 20.34,21.56 15.46,26.44 ; RZ1.19 8,174.25 8,148.93 1.55,142.47 1.55,90.96 1.55,90.96 1.55,53.45 7,48 7,34.48 12.07,29.41 14.79,28.2 15.43,26.52
Row 9: length 404.4
  Bottom w0.2: D125.1 D124.1 D123.1 165.58,3.68 163.96,7.93 163.96,7.94 163.69,8.66 162.25,9.3 160.68,13.42 153.45,16.66 D122.1 D121.1 112.85,1.15 110.67,1.15 D120.1 109.63,2.17 106.76,5.05 D119.1 D118.1 D117.1 70.29,3.68 68.67,7.93 68.68,7.94 68.4,8.66 66.96,9.3 66.69,10.02 66.67,10.02 65.34,13.51 58.25,16.69 D116.1 D115.1 19.05,1.72 15.5,1.72 D114.1 13.08,3.22 11.61,4.7 D113.1 7.48,15.87 3.73,19.62 3.73,21.13 3.04,21.83 3.04,25.92 2.12,26.84 2.12,33 6.6,37.48 6.6,47.83 1.15,53.28 1.15,90.79 1.15,90.8 1.15,142.64 6.25,147.74 6.25,176.09 RZ1.20
Net-(D2-A): length 2.2
  Bottom w0.2: D2.2 39.04,175.49 39.17,175.77 SW2.2
Net-(D3-A): length 2.2
  Bottom w0.2: SW3.2 56.11,182.01 D3.2
Net-(D4-A): length 2.2
  Bottom w0.2: SW4.2 64.05,166.84 D4.2
Net-(D5-A): length 2.2
  Bottom w0.2: SW5.2 79.93,172.91 D5.2
Net-(D6-A): length 2.2
  Bottom w0.2: SW6.2 95.81,178.97 D6.2
Net-(D7-A): length 2.2
  Bottom w0.2: D7.2 119.63,169.87 SW7.2
Net-(D8-A): length 2.2
  Bottom w0.2: SW8.2 135.51,175.94 D8.2
Net-(D9-A): length 2.2
  Bottom w0.2: SW9.2 151.39,182.01 D9.2
Net-(D10-A): length 2.2
  Bottom w0.2: D10.2 159.33,166.84 SW10.2
Net-(D11-A): length 2.2
  Bottom w0.2: SW11.2 175.21,172.91 D11.2
Net-(D12-A): length 2.2
  Bottom w0.2: D12.2 191.09,178.97 SW12.2
Net-(D14-A): length 2.2
  Bottom w0.2: SW14.2 16.4,148.64 D14.2
Net-(D15-A): length 2.2
  Bottom w0.2: D15.2 32.28,154.71 SW15.2
Net-(D16-A): length 2.2
  Bottom w0.2: SW16.2 48.16,160.77 D16.2
Net-(D17-A): length 2.2
  Bottom w0.2: D17.2 71.99,151.68 SW17.2
Net-(D18-A): length 2.2
  Bottom w0.2: SW18.2 87.87,157.74 D18.2
Net-(D19-A): length 2.2
  Bottom w0.2: SW19.2 103.75,163.81 D19.2
Net-(D20-A): length 2.2
  Bottom w0.2: SW20.2 111.69,148.64 D20.2
Net-(D21-A): length 2.2
  Bottom w0.2: SW21.2 127.57,154.71 D21.2
Net-(D22-A): length 2.2
  Bottom w0.2: SW22.2 143.45,160.77 D22.2